# Altium PCB 遥控器.PcbDoc (part 1 of 3)
Units mil, origin at the board's own origin, x right, y up, seen from the top; angles counter-clockwise.
Board outline 6000 x 4000 mil, 2 copper layers (Top Layer, Bottom Layer); 65 components, 54 nets, 275 pads, 150 vias.
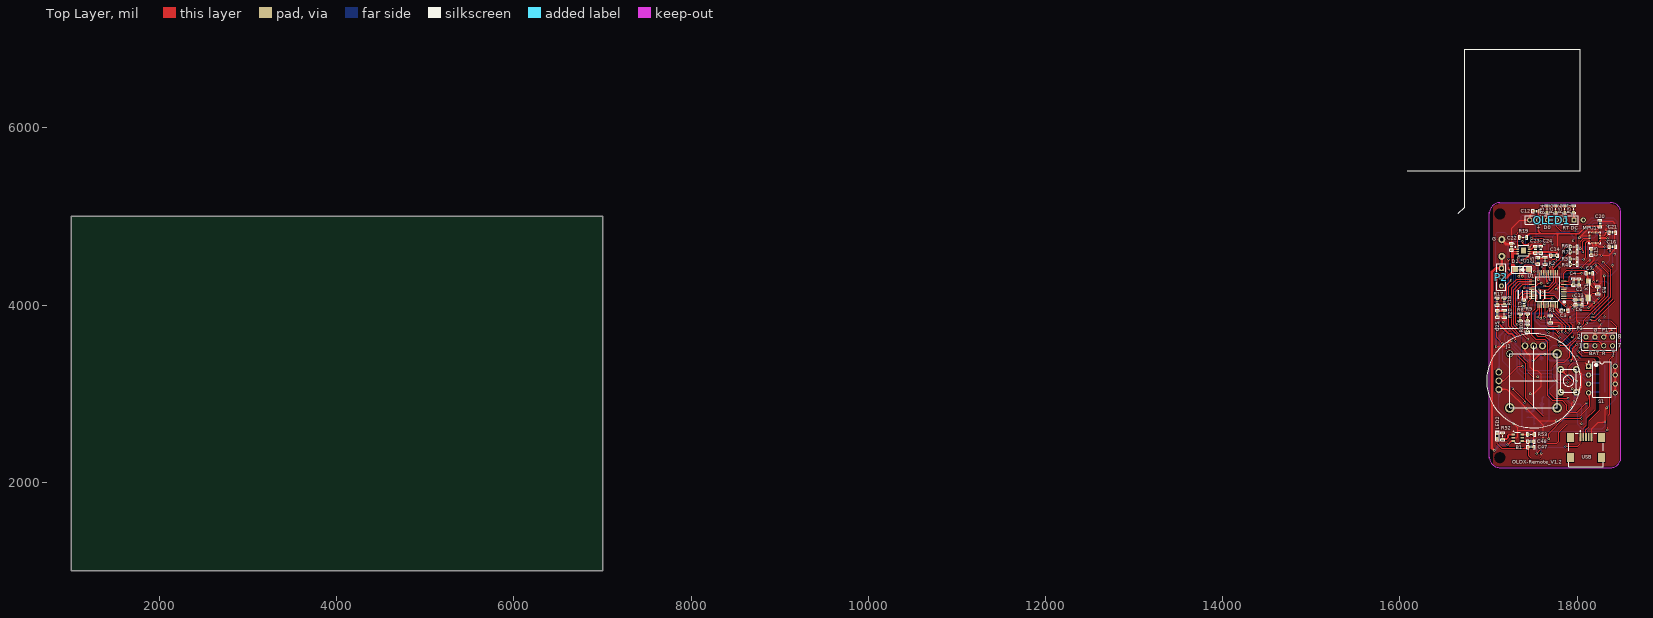
[diagram p0: Top Layer view]
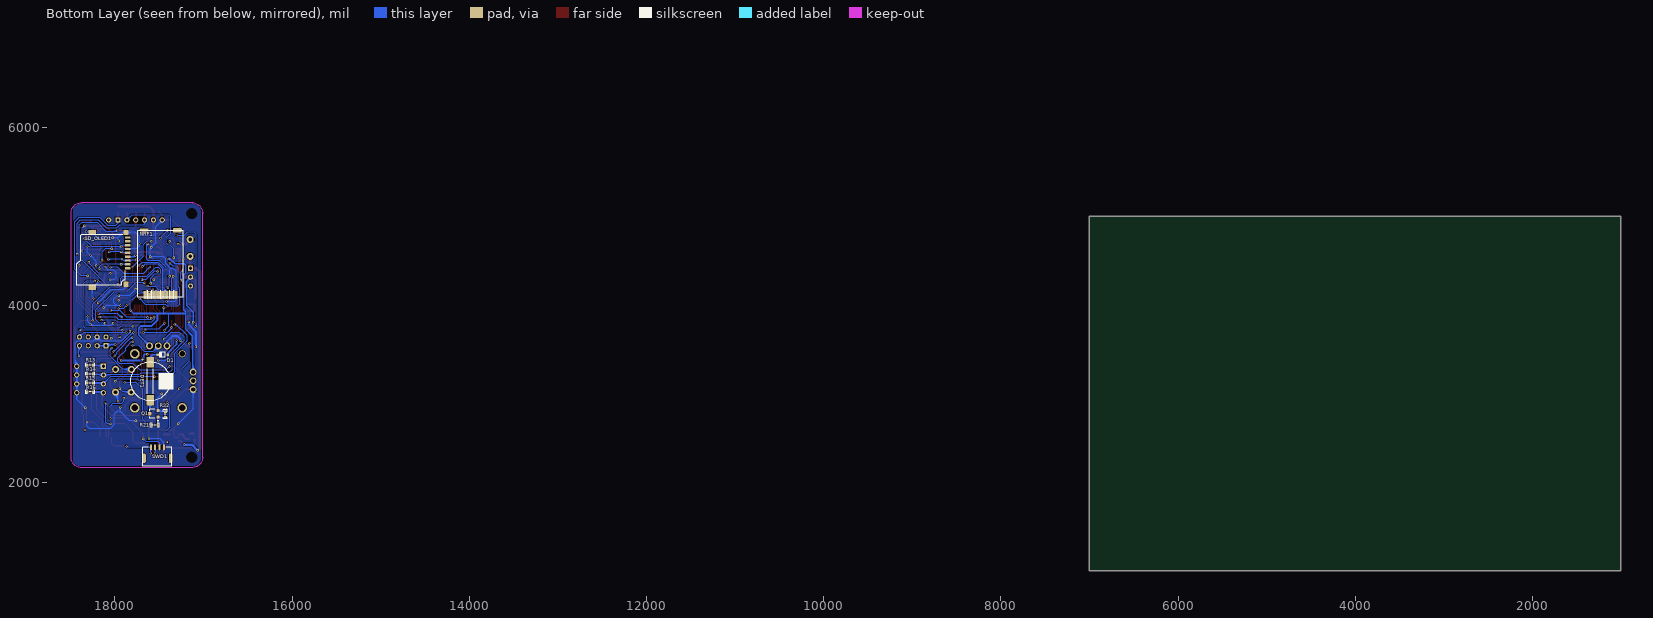
[diagram p1: Bottom Layer view, seen from below]

## Layer stack, top to bottom
Top Layer: signal copper 1.4
Dielectric: dielectric 12.6, FR-4, Dk 4.8
Bottom Layer: signal copper 1.4

## Board outline
1000,1000 7000,1000 7000,5000 1000,5000

## Design rules (kind name [scope] priority, off if disabled: settings)
Clearance Clearance_1 [(InPolygon)] p1: gap=10
Clearance [All] p2: gap=6
PolygonConnect [All] p1: connectstyle=Relief reliefconductorwidth=10 reliefentries=4 polygonreliefangle="90 Angle"
RoutingVias [All] p1: holewidth=28 width=50 viastyle="Through Hole" minholewidth=16 minwidth=25 maxholewidth=28 maxwidth=50
SilkscreenOverComponentPads [All] p1: minsilkscreentomaskgap=10
SolderMaskExpansion [All] p1: expansion=4
Width [All] p1: maxlimit=40 minlimit=8 preferedwidth=10 minimp=50.000000 maximp=50.000000 favimp=50.000000
27 further rules are at their usual default settings.

## Components (designator, comment, footprint, x,y, rotation, side; value= is the part's Value field where it differs from the comment)
*U1 "AS1364-BTDT-33" TDFN-8 17330,4655 r180 top
B1 "TP4059" SOT23-6S 17280,2540 r0 top
C1 "1UF" C0603 17400,4020 r270 top
C2 "0.1UF" C0603 18020,4260 r270 top
C3 "1UF" C0603 17860,3940 r180 top
C4 "0.1UF" C0603 17960,4260 r270 top
C5 "0.1UF" C0603 17560,4500 r270 top
C6 "20PF" C0603 18020,4000 r0 top
C7 "20PF" C0603 18140,4360 r180 top
C12 "0.1UF" C0603 17540,5060 r180 top
C13 "0.1uf" C0603 18020,4060 r180 top
C14 "0.1UF" C0603 17740,4560 r0 top
C15 "0.1UF" C0603 18160,4600 r270 top
C16 "0.1UF" C0603 18400,4660 r0 top
C20 "10nf" C0603 18260,4920 r270 top
C21 "0.1UF" C0603 18400,4820 r180 top
C22 "4.7uf" C0603 17260,4660 r90 top
C23 "10nf" C0603 17530,4625 r90 top
C24 "4.7uf" C0603 17590,4625 r90 top
C25 "22uF" C0603 17100,3900 r270 top
C47 "0.1UF" C0603 17480,2400 r180 top
C48 "10UF" C0603 17480,2460 r180 top
D1 "BAT54WS" SOD-323 17460,3440 r180 bottom
D2 "IN4733 5.1V" 1n4148-SOD123 17440,4400 r180 top
DET1 "DET402_1" BEEP 17600,3140 r90 bottom
J1 "方向摇杆" 摇杆2 17680,3080 r180 top locked
LED2 "DS0" LED_0603 17100,2520 r90 top
MPU1 "MPU9250" MPU_QFN24_0.4 18200,4760 r90 top
NRF1 "Header 8" NRF 17660,4140 r90 bottom
OLED1 "HEADER 6" HDR1X6 17965,4960 r180 top
P1 "Header 4X2" HDR2X4 18100,3540 r0 top
P2 "Header 3" HDR1X3 17145,4415 r270 top
Q1 "S8050" SOT-23R 17555,2772.5 r90 bottom
R1 "1K" R0603 17700,3840 r270 top
R2 "1K" R0603 17640,4500 r270 top
R3 "1M" R0603 18235,4165 r90 top
R4 "10K" R0603 17960,4460 r180 top
R5 "10K" R0603 17960,4520 r180 top
R6 "10K" R0603 17960,4660 r180 top
R7 "10K" R0603 17960,4600 r180 top
R8 "10R" R0603 17360,3860 r90 top
R9 "10R" R0603 17440,3860 r90 top
R10 "1k" R0603 17440,3740 r90 top
R13 "10K" R0603 18280,3320 r0 bottom
R14 "10K" R0603 18280,3220 r0 bottom
R15 "10K" R0603 18280,3120 r0 bottom
R16 "10K" R0603 18280,3020 r0 bottom
R17 "4.7K" R0603 17100,4040 r90 top
R18 "1K" R0603 17180,4040 r270 top
R19 "1K" R0603 17390,4765 r180 top
R20 "4.7K" R0603 17180,3900 r90 top
R21 "1K" R0603 17550,2645 r0 bottom
R22 "10K" R0603 17430,2765 r270 bottom
R52 "1K" R0603 17160,2520 r90 top
R53 "1K" R0603 17480,2540 r180 top
R54 "10K" R0603 17660,5080 r90 top
R55 "10K" R0603 17760,5080 r90 top
R56 "10K" R0603 17860,5080 r90 top
R57 "10K" R0603 17960,5080 r90 top
S1 "SW-DIP4" DIP-8 18280,3160 r0 top
SD_OLED1 "SD" TF-MicroSD 18100,4500 r0 bottom
SWD1 "Header 4" JST_GH_V4 17520,2180 r0 bottom
U1 "STM32F103C8" LQFP48S 17850,4075 r180 top
USB "USB-B(Mini)" USB/SM0.8-6H5_M 18100,2200 r270 top
X1 "8MHZ" PXCL 18125,4080 r0 top

## Footprints (in the part's own frame and the unit in brackets; to place one, negate y for a bottom-side part, rotate by r counter-clockwise, add the part's x,y. Pads: shape width x height; smd on the part's side, far side on the other; paste and mask are expansions set on the pad)
1n4148-SOD123 [mm]
  rect 1.5x1.4 smd: 1(-0.254,0) 2(3.494,0)
  silkscreen extent -1.27,-1.02 4.57,1.02, body extent -0.25,-0.85 3.6,0.85, height 1.42
BEEP [mm] "Molded Capacitor, 2-Leads, Body 9.3x1.6mm, IPC Medium Density"
  rect 3x2.05 smd: 1(5.5,0) 2(-5.5,0)
  silkscreen extent -5.65,-6.65 5.59,5.6, body extent -4,-0.9 4,0.9, height 1.8
C0603 [mil]
  rect 30x30 smd: 1(-27,0) 2(27.5,-0.06)
  silkscreen extent -50,-20 50,20, body extent -31,-16 31,16, height 12
DIP-8 [mm] "DIP; 8 Leads; Row Spacing 7.62 mm; Pitch 2.54 mm"
  rect 1.5x1.5 hole 0.9: 1(-3.81,3.81)
  round 1.5 hole 0.9: 2(-3.81,1.27) 3(-3.81,-1.27) 4(-3.81,-3.81) 5(3.81,-3.81) 6(3.81,-1.27) 7(3.81,1.27) 8(3.81,3.81)
  silkscreen extent -3.93,-5.15 2.65,5.23, body extent -3.6,-5.15 3.6,5.15, height 5.08
HDR1X3 [mm] "Connector; Header; 3 Position"
  rect 1.5x1.5 hole 0.9: 1(0,0)
  round 1.5 hole 0.9: 2(2.54,0) 3(5.08,0)
  silkscreen extent -1.27,-1.27 6.35,1.27
HDR1X6 [mm] "Connector; Header; 6 Position"
  rect 1.5x1.5 hole 0.9: 1(0,0)
  round 1.5 hole 0.9: 2(2.54,0) 3(5.08,0) 4(7.62,0) 5(10.16,0) 6(12.7,0)
  silkscreen extent -1.27,-1.27 13.97,1.27
HDR2X4 [mm] "Connector; Header; 4x2 Position"
  rect 1.5x1.5 hole 0.9: 1(0,0)
  round 1.5 hole 0.9: 2(0,2.54) 3(2.54,0) 4(2.54,2.54) 5(5.08,0) 6(5.08,2.54) 7(7.62,0) 8(7.62,2.54)
  silkscreen extent -1.27,-1.27 8.89,3.81
JST_GH_V4 [mil]
  rrect100% 24x67 smd: 1(-73.82,-214.57) 2(-24.61,-214.57) 3(25,-214.57) 4(74,-214.57)
  rrect100% 40x111 smd: GND(-150.59,-90.55) GND(151,-90.55)
  silkscreen extent -164,-215 165,0, body extent -162,-235 163,-40, height 165
LED_0603 [mil]
  rect 30x30 smd: 1(-27,0) 2(27.5,-0.06)
  silkscreen extent -50,-20 60,20, body extent -32,-16 32,16, height 43
LQFP48S [mil] "DPIN-0.5"
  rect 65x10 smd: 1(0.42,0.29) 2(0.42,-19.39) 3(0.42,-39.08) 4(0.42,-58.76) 5(0.42,-78.45) 6(0.42,-98.13) 7(0.42,-117.82) 8(0.42,-137.5) 9(0.42,-157.19) 10(0.42,-176.87) 11(0.42,-196.56) 12(0.42,-216.24) 25(362.63,-216.24) 26(362.63,-196.56) 27(362.63,-176.87) 28(362.63,-157.19) 29(362.63,-137.5) 30(362.63,-117.82) 31(362.63,-98.13) 32(362.63,-78.45) 33(362.63,-58.76) 34(362.63,-39.08) 35(362.63,-19.39) 36(362.63,0.29)
  rect 10x65 smd: 13(73.26,-289.08) 14(92.94,-289.08) 15(112.63,-289.08) 16(132.31,-289.08) 17(152,-289.08) 18(171.68,-289.08) 19(191.37,-289.08) 20(211.05,-289.08) 21(230.74,-289.08) 22(250.42,-289.08) 23(270.11,-289.08) 24(289.79,-289.08) 37(289.79,73.13) 38(270.11,73.13) 39(250.42,73.13) 40(230.74,73.13) 41(211.05,73.13) 42(191.37,73.13) 43(171.68,73.13) 44(152,73.13) 45(132.31,73.13) 46(112.63,73.13) 47(92.94,73.13) 48(73.26,73.13)
  silkscreen extent -10,-246 319,46
MPU_QFN24_0.4 [mm] "QFN, 24-Leads, Body 3.00x3.00mm, Pitch 0.40mm, Thermal Pad 1.54x1.70mm, IPC Medium Density"
  round 0.2 smd mask+0: 1(-1.5,1) 6(-1.5,-1) 7(-1,-1.5) 12(1,-1.5) 13(1.5,-1) 18(1.5,1) 19(1,1.5) 24(-1,1.5)
  rect 0.5x0.2 smd mask+0.025: 2(-1.5,0.6) 3(-1.5,0.2) 4(-1.5,-0.2) 5(-1.5,-0.6) 14(1.5,-0.6) 15(1.5,-0.2) 16(1.5,0.2) 17(1.5,0.6)
  rect 0.2x0.5 smd mask+0.025: 8(-0.6,-1.5) 9(-0.2,-1.5) 10(0.2,-1.5) 11(0.6,-1.5) 20(0.6,1.5) 21(0.2,1.5) 22(-0.2,1.5) 23(-0.6,1.5)
  Top Layer region: 1.75,0.9 1.25,0.9 1.25,1.05 1.3,1.1 1.75,1.1
  Top Layer region: 1.1,1.75 1.1,1.3 1.05,1.25 0.9,1.25 0.9,1.75
  Top Layer region: 0.9,-1.75 0.9,-1.25 1.05,-1.25 1.1,-1.3 1.1,-1.75
  Top Layer region: 1.75,-1.1 1.3,-1.1 1.25,-1.05 1.25,-0.9 1.75,-0.9
  Top Layer region: -1.75,-0.9 -1.25,-0.9 -1.25,-1.05 -1.3,-1.1 -1.75,-1.1
  Top Layer region: -1.1,-1.75 -1.1,-1.3 -1.05,-1.25 -0.9,-1.25 -0.9,-1.75
  Top Layer region: -1.75,1.1 -1.3,1.1 -1.25,1.05 -1.25,0.9 -1.75,0.9
  Top Layer region: -0.9,1.75 -0.9,1.25 -1.05,1.25 -1.1,1.3 -1.1,1.75
  silkscreen extent -1.68,-1.68 1.68,1.68, body extent -1.5,-1.5 1.5,1.5, height 0.9
NRF [mm]
  round 0 all layers, no hole: 0(17.75,-9.44) 0(17.75,0.56)
  rect 2.4x0.9 smd: 1(-0.66,0) 2(-0.66,-1.27) 3(-0.66,-2.54) 4(-0.66,-3.81) 5(-0.66,-5.08) 6(-0.66,-6.35) 7(-0.66,-7.62) 8(-0.66,-8.89)
  silkscreen extent -1.87,-10.94 17.75,2.06
PXCL [mm]
  rect 1.5x2 smd: 1(0,0) 2(0.051,4.521)
  silkscreen extent -0.34,-1.45 0.46,5.26
R0603 [mil] "ÌùÆ"
  rect 25x33 smd: 1(-31.5,0) 2(31.5,0)
  silkscreen extent -51,-24 51,24, body extent -32,-16 32,16, height 20
SOD-323 [mm]
  rect 0.8x0.8 smd: 1(1.422,0) 2(-1.422,0)
  silkscreen extent -0.79,-0.74 0.79,0.69
SOT23-6S [mil]
  rect 39.37x20 smd: 1(0,0) 2(0,-37.5) 3(0,-74.8) 4(100,-74.8) 5(100,-37.5) 6(100,0)
  silkscreen extent 0,-99 80,35
SOT-23R [mm]
  rect 0.9x0.95 smd: 1(0.95,-1.048) 2(-0.95,-1.048) 3(0,1.302)
  silkscreen extent -2.07,-1.17 1.3,1.3
TDFN-8 [mm] "QFN, 8-Leads, Body 3.0x3.0mm (max), Pitch 0.65mm, IPC Medium Density"
  oval 0.85x0.35 smd: 1(0,0) 2(0,0.65) 3(0,1.3) 4(0,1.956) 5(-3.277,1.956) 6(-3.277,1.295) 7(-3.277,0.65) 8(-3.277,0.001)
  rect 1.5x1.8 smd: 9(-1.636,0.975)
  silkscreen extent -3.14,-0.6 0.89,2.55, body extent -3.14,-0.52 -0.14,2.48, height 0.8
TF-MicroSD [mm]
  rect 1.6x0.7 smd: 1(-6.193,2.123) 2(-6.193,1.023) 3(-6.193,-0.077) 4(-6.193,-1.177) 5(-6.193,-2.277) 6(-6.193,-3.377) 7(-6.193,-4.477) 8(-6.193,-5.577) 9(-6.193,-6.677)
  rect 1.4x1.4 smd: 10(-5.693,-8.131)
  rect 2.2x1.5 smd: 11(3.907,-8.1) 13(3.907,7.623)
  rect 1.4x1.6 smd: 12(-5.693,6.723)
  silkscreen extent -5.49,-7.42 8.33,7.02, body extent -6.87,-8.13 8.38,7.87, height 1.95
USB/SM0.8-6H5_M [mm]
  rect 2.3x0.5 smd: 1(-7.85,-1.6) 2(-7.85,-0.8) 3(-7.85,0) 4(-7.85,0.8) 5(-7.85,1.6)
  rect 2.5x2 smd: 6(-7.75,4.45) 7(-1.996,4.45) 8(-7.75,-4.45) 9(-1.996,-4.45)
  silkscreen extent -9.67,-4.95 0.7,4.95
摇杆2 [mm]
  round 2.8 hole 1.8: 0(-2.413,6.102) 0(-2.413,-9.398) 0(11.176,6.102)
  round 2.032 hole 1.524: 0(11.176,-9.398)
  round 2 hole 1.25: 1(14.318,0.849) 2(14.318,-1.651) 3(14.318,-4.151) 4(6.818,-11.651) 5(4.318,-11.651) 6(1.818,-11.651)
  round 2 hole 1.1: J1(-7.95,1.626) J1(-7.904,-4.925) J2(-3.45,1.626) J2(-3.404,-4.925)
  silkscreen extent -9.18,-15.15 17.81,11.85

## Part data
*U1: library part AS1364-3.3V
C1 C2 C3 C4 C5 C12 C13 C14 C15 C16 C20 C21 C22 C23 C24 C25 C47 C48: library part CAP, "Capacitor"
C6 C7: library part C2, "0805"
D1: library part BAT54, "单肖特基二极管"
D2: library part ZENER3, "Zener Diode"
J1: library part 摇杆_1, "摇杆"
LED2: library part LED, "Typical RED, GREEN, YELLOW, AMBER GaAs LED"
MPU1: "Sensor"
NRF1: "Header, 8-Pin"
P1: "Header, 4-Pin, Dual row"
P2: "Header, 3-Pin"
Q1: library part NPN, "8050/BCW846/BCW847"
R1 R2 R13 R14 R15 R16 R19 R52 R53: library part Res1, "Resistor"
R3 R4 R5 R6 R7 R8 R9 R10 R17 R18 R20 R21 R22 R54 R55 R56 R57: library part Res2, "0603"
S1: library part SW-DIP
SD_OLED1: library part TF-MicroSD
SWD1: "Header, 4-Pin"
U1: library part STM32F103C6
USB: library part USB5
X1: library part XTAL, "Crystal Oscillator"

## Free pads (board coordinates)
  round 78.74 hole 110.24: 0(17130,2280) 0(17130,5030)
  round 80 hole 40: 0(17150,4550) 0(17150,4740)
  rrect50% 100x50 smd far side: 0(17295,4845) 0(17670,4840)

## Via types
v1: diameter 25, hole 16, Top Layer to Bottom Layer, 148 vias
v2: diameter 59, hole 35, Top Layer to Bottom Layer, 1 vias
v3: diameter 26, hole 16, Top Layer to Bottom Layer, 1 vias

## Nets (pads, with @x,y where several pads share a name; then routed paths per layer and width w, separated by ;. In a path a pad name is that pad's centre, name@x,y a point inside that pad or via, vN(x,y) a via of type N, cw(c..) or ccw(c..) an arc to the next point about the centre after c; other vN are vias at no path point)
3.3V_I: R13.2 R14.2 R15.2 R16.2 | length 300
  Bottom Layer w20: R16.2@18311.5,3020 R15.2@18311.5,3120 R14.2@18311.5,3220 R13.2@18311.5,3320
3V3_1: *U1.5 *U1.6 C1.2 C3.2 C4.2 C5.2 C12.1 C13.2 C14.2 C15.1 C16.1 C20.2 C23.1 C24.1 J1.3 J1.6 MPU1.1 MPU1.8 MPU1.13 NRF1.1 OLED1.5 R4.1 R5.1 R6.1 R7.1 R10.1 R19.1 R54.2 R55.2 R56.2 R57.2 SD_OLED1.4 U1.1 U1.9 U1.24 U1.36 U1.48 | length 10873.7
  Top Layer w8: R4.1@17985.49,4470.01 ccw(c17970.98,4484.52) 17991.5,4484.52 ccw(c18012.02,4484.52) R4.1@17997.51,4470.01 ; R5.1@17985.49,4509.99 cw(c17970.98,4495.48) 17991.5,4495.48 cw(c18012.02,4495.48) R5.1@17997.51,4509.99 ; R5.1@17985.49,4530.01 ccw(c17970.98,4544.52) 17991.5,4544.52 ccw(c18012.02,4544.52) R5.1@17997.51,4530.01 ; R7.1@17985.49,4589.99 cw(c17970.98,4575.48) 17991.5,4575.48 cw(c18012.02,4575.48) R7.1@17997.51,4589.99 ; R7.1@17985.49,4610.01 ccw(c17970.98,4624.52) 17991.5,4624.52 ccw(c18012.02,4624.52) R7.1@17997.51,4610.01 ; R6.1@17985.49,4649.99 cw(c17970.98,4635.48) 17991.5,4635.48 cw(c18012.02,4635.48) R6.1@17997.51,4649.99 ; R6.1@17985.49,4670.01 ccw(c17970.98,4684.52) 17991.5,4684.52 ccw(c18012.02,4684.52) R6.1@17997.51,4670.01 ; 17991.5,4805 R6.1@17991.5,4660 R7.1@17991.5,4600 R5.1@17991.5,4520 17991.5,4473.5 R4.1@17995,4470 ; C15.1@18152.22,4634.78 ccw(c18131.92,4655.08) 18160.63,4655.08 ; 18160.63,4652.04 ccw(c18185.04,4652.04) 18167.78,4634.78 ccw(c18186.56,4653.56) 18186.56,4627 ccw(c18186.56,4600.44) C15.1@18167.78,4619.22 ; MPU1.1@18160.63,4700.94 18160.63,4627.63 C15.1@18160,4627 18340,4627 C16.1@18373,4660 ; MPU1.13@18239.37,4819.06 18239.37,4872.93 18259.44,4893 18261.44,4895 v1(18345,4895) ; 18239.45,4873.01 cw(c18259.94,4852.53) C20.2@18259.94,4881.5 ; 18241.86,4875.43 ccw(c18224.79,4892.5) C20.2@18248.94,4892.5 ; MPU1.8@18259.06,4736.38 18313.62,4736.38 18373,4677 ; C20.2@18267.71,4884.72 cw(c18292.53,4859.91) 18292.53,4895 ; C20.2@18267.71,4900.28 ccw(c18280.46,4913.02) 18280.46,4895 ; v1@18338.99,4888.99 ccw(c18324.48,4874.48) 18324.48,4895 ccw(c18324.48,4915.52) v1@18338.99,4901.01 ; 18342.2,4707.8 cw(c18294.4,4660) 18362,4660 cw(c18335.44,4660) 18354.22,4641.22 cw(c18373,4622.44) C16.1@18373,4649 ; 18355.86,4694.14 cw(c18321.72,4660) C16.1@18370,4660 ; v1@18363.99,4616.01 ccw(c18342.24,4637.76) 18373,4637.76 ; C16.1@18365.22,4652.22 cw(c18346.44,4633.44) 18373,4633.44 cw(c18399.56,4633.44) C16.1@18380.78,4652.22 ; C16.1@18368.49,4670.03 ccw(c18365.36,4677) 18373,4677 ; 18369.51,4680.49 cw(c18349.03,4660) C16.1@18378,4660 ; v1(18370,4610) 18373,4613 C16.1@18373,4660 ; 18373,4623.28 ccw(c18383.28,4623.28) v1@18376.01,4616.01 ; C16.1@18377.51,4670.03 cw(c18380.64,4677) 18373,4677 ; C16.1@18373,4660 18373,4677
  Top Layer w10: C1.2@17399.94,3982.5 cw(c17399.94,3958.36) 17417.01,3975.43 cw(c17434.08,3992.5) C1.2@17409.94,3992.5 ; C1.2@17399.94,3992.5 17422.44,3970 v1(17450,3970) 17450,4037.34 U1.36@17487.37,4074.71 ; v1@17444.7,3964.7 ccw(c17431.89,3951.89) 17431.89,3970 ccw(c17431.89,3988.11) 17444.7,3975.3 ccw(c17431.89,3988.11) 17450,3988.11 ccw(c17468.11,3988.11) v1@17455.3,3975.3 ; 17459,4559 17459,4536 17522.5,4472.5 C5.2@17559.94,4472.5 17560.21,4472.23 U1.24@17560.21,4364.08 ; C5.2@17552.86,4479.57 cw(c17535.79,4496.64) 17535.79,4472.5 cw(c17535.79,4448.36) 17552.86,4465.43 cw(c17535.14,4447.71) 17560.21,4447.71 ; 17560.21,4449.01 cw(c17583.43,4449.01) C5.2@17567.01,4465.43 ; U1.48@17776.74,4001.87 17776.74,3963.26 17800,3940 17832.44,3940 C3.2@17832.5,3940.06 ; 17808.2,3940 ccw(c17808.2,3964.36) C3.2@17825.43,3947.14 ; 17808.51,3940 cw(c17808.51,3916.08) C3.2@17825.43,3932.99 ; C3.2@17819.7,3934.7 ccw(c17806.89,3921.89) 17806.89,3940 ccw(c17806.89,3958.11) C3.2@17819.7,3945.3 ; U1.1@17849.58,4074.71 17977.86,4074.71 C13.2@17992.5,4060.06 ; U1.9@17849.58,4232.19 17959.62,4232.19 C4.2@17959.94,4232.5 17962.44,4235 v1(17965,4235) ; 17933,4074.71 cw(c17933,4000.57) 17985.43,4052.99 ccw(c17968.36,4035.92) 17968.36,4060.06 ccw(c17968.36,4084.21) C13.2@17985.43,4067.14 ; 17935.04,4232.19 ccw(c17935.04,4257.39) C4.2@17952.86,4239.57 ; 17936.54,4232.19 cw(c17936.54,4209.11) C4.2@17952.86,4225.43 ; 17940.11,4232.19 ccw(c17940.11,4259.89) C4.2@17959.7,4240.3 ; 17957.14,4074.71 cw(c17957.14,4024.71) C13.2@17992.5,4060.06 ; v1@17965.06,4060.06 C13.2@17992.5,4060.06 ; v1@17965.3,4049.7 cw(c17990.33,4024.67) C13.2@17990.33,4060.06 ; C13.2@17981.29,4074.71 cw(c17981.29,4048.85) C13.2@17999.57,4067.14
  Top Layer w15: v3(17395,4520) 17420,4520 17459,4559 *U1.5@17459,4578 17510,4578 C23.1@17530,4598 17524,4604 *U1.6@17459,4604 ; v3@17398.89,4516.11 cw(c17408.28,4506.72) 17408.28,4520 cw(c17408.28,4533.28) v3@17398.89,4523.89 ; *U1.5@17463.61,4578 ccw(c17463.61,4664.39) C23.1@17524.7,4603.3 ; 17497.41,4604 cw(c17497.41,4565.41) C23.1@17524.7,4592.7 ; 17499.82,4578 ccw(c17499.82,4628.18) C23.1@17535.3,4592.7 ; C23.1@17522.5,4598 cw(c17504.39,4598) 17517.2,4585.2 cw(c17530,4572.39) C23.1@17530,4590.5
  Top Layer w20: R19.1@17421.5,4765 17461.5,4805 17590,4805 ; R19.1@17421.5,4771.5 ccw(c17421.5,4787.19) R19.1@17432.6,4776.1 ; R10.1@17440,3708.5 v1(17440,3715) ; C23.1@17530,4598 C24.1@17590,4598 17768,4598 ; OLED1.5@17551.19,4946.19 cw(c17517.86,4912.86) 17565,4912.86 cw(c17612.14,4912.86) OLED1.5@17578.81,4946.19 ; OLED1.5@17551.19,4973.81 ccw(c17517.86,5007.14) 17565,5007.14 ccw(c17612.14,5007.14) OLED1.5@17578.81,4973.81 ; 17565,5043.1 cw(c17583.9,5043.1) C12.1@17570.54,5056.46 ; C12.1@17572,5060 cw(c17613.04,5060) 17584.02,5089.02 ; v1(17767.5,4559.94) 17767.5,4597.5 17768,4598 ; R57.2@17960,5111.5 R56.2@17860,5111.5 R55.2@17760,5111.5 R54.2@17660,5111.5 17606.5,5111.5 17565,5070 OLED1.5@17565,4960 17565,4830 17590,4805 ; C20.2@18259.94,4892.5 18259.44,4893 18108,4893 18020,4805 17991.5,4805 17780,4805 ; 17590,4805 17780,4805 ; 17768,4598 17780,4610 17780,4805
  Bottom Layer w8: v1@18345,4886.5 cw(c18345,4865.98) 18359.51,4880.49 cw(c18374.02,4895) v1@18353.5,4895 ; v1(18345,4895) 18370,4870 v1(18370,4610) ; v1@18363.99,4616.01 ccw(c18349.48,4630.52) 18370,4630.52 ccw(c18390.52,4630.52) v1@18376.01,4616.01
  Bottom Layer w10: 17390,3905 17390,3765 v1(17440,3715) ; v1@17432.5,3715 ccw(c17414.39,3715) 17427.2,3727.8 ccw(c17440,3740.61) v1@17440,3722.5 ; v1@17444.7,3964.7 cw(c17431.89,3951.89) 17450,3951.89 cw(c17468.11,3951.89) v1@17455.3,3964.7 ; 17450,3910 v1(17450,3970) ; NRF1.1@17660,4134 17731,4134 17810,4055 17825,4055 ; NRF1.1@17661.92,4145.45 ccw(c17689.56,4173.09) 17689.56,4134 ; NRF1.1@17668.99,4152.52 ccw(c17713.7,4197.23) 17713.7,4134 ; v1@17819.7,3945.3 ccw(c17806.89,3958.11) 17825,3958.11 ccw(c17843.11,3958.11) v1@17830.3,3945.3 ; v1(17825,3940) 17825,4055 ; v1@17954.7,4049.7 ccw(c17941.89,4036.89) 17941.89,4055 ccw(c17941.89,4073.11) v1@17954.7,4060.3 ; v1(17960,4055) 17825,4055 ; v1(17965,4235) 18100,4235 18370,4505 v1(18370,4610) ; v1@17970.3,4229.7 cw(c17983.11,4216.89) 17983.11,4235 cw(c17983.11,4253.11) v1@17970.3,4240.3 ; v1@18364.7,4604.7 cw(c18351.89,4591.89) 18370,4591.89 cw(c18388.11,4591.89) v1@18375.3,4604.7
  Bottom Layer w15: J1.3@17116.3,3243.43 J1.3@17120,3247.13 ; 17200,3905 17200,3925 17220,3945 17220,4340 17200,4360 17200,4450 17215,4465 17320,4465 17375,4520 v3(17395,4520) ; 17351.47,4496.47 cw(c17395,4452.94) v3@17395,4514.5 ; 17365,4510 cw(c17382.46,4492.55) v3@17392.71,4515 ; 17377.08,4522.08 cw(c17395,4504.15) v3@17395,4529.5 ; 17380.27,4525.27 cw(c17392.04,4513.51) v3@17398.95,4528.64 ; v3@17391.11,4516.11 ccw(c17381.72,4506.72) 17381.72,4520 ccw(c17381.72,4533.28) v3@17391.11,4523.89
  Bottom Layer w20: J1.3@17095.53,3264.19 ccw(c17036.46,3323.27) 17120,3323.27 ; J1.3@17120,3247.13 17120,3500 17125,3505 17125,3655 17200,3730 17200,3905 ; 17120,3305.4 ccw(c17178.27,3305.4) J1.3@17137.07,3264.19 ; 17205,3905 17390,3905 17520,3905 ; J1.6@17608.43,3551.93 J1.6@17608.43,3538.7 17731.5,3661.78 17731.5,3675 17731.5,3738.5 17705,3765 17585,3765 17520,3830 17520,3905 ; J1.6@17608.43,3568.07 ccw(c17608.43,3638.98) 17658.56,3588.84 ccw(c17708.7,3538.7) J1.6@17637.8,3538.7 ; v1(17767.5,4559.94) 17781.1,4546.34 SD_OLED1.4@17856.18,4546.34 ; v1@17769.27,4561.7 ccw(c17806.36,4598.8) 17806.36,4546.34 ; v1(17825,3940) 17790,3905 17520,3905
AD_BAT: R18.1 U1.10 | length 2072.9
  Top Layer w10: R18.1@17180,4071.5 17205,4096.5 17205,4230 v1(17255,4280) ; R18.1@17191.5,4071.5 cw(c17219.26,4071.5) 17199.63,4091.13 ; v1@17219.7,4509.7 cw(c17206.89,4496.89) 17225,4496.89 cw(c17243.11,4496.89) v1@17230.3,4509.7 ; 17225,4425.18 ccw(c17260.18,4425.18) v1@17235.3,4400.3 ; v1(17225,4515) 17225,4400 v1(17230,4395) ; v1@17247.5,4280 cw(c17229.39,4280) 17242.2,4267.2 cw(c17255,4254.39) v1@17255,4272.5 ; v1@17379.7,4714.7 cw(c17366.89,4701.89) 17385,4701.89 cw(c17403.11,4701.89) v1@17390.3,4714.7 ; v1(17385,4720) 17385,4695 17395,4685 17445,4685 17480,4720 v1(17585,4720) v1@17580,4715 ; v1@17579.7,4714.7 ccw(c17566.89,4701.89) 17566.89,4720 ccw(c17566.89,4738.11) v1@17579.7,4725.3 ; v1@17794.7,4424.7 cw(c17781.89,4411.89) 17800,4411.89 cw(c17818.11,4411.89) v1@17805.3,4424.7 ; v1(17800,4430) 17800,4260 17808.13,4251.87 U1.10@17849.58,4251.87
  Bottom Layer w10: v1@17219.7,4520.3 ccw(c17206.89,4533.11) 17225,4533.11 ccw(c17243.11,4533.11) v1@17230.3,4520.3 ; v1(17225,4515) 17225,4675 17270,4720 v1(17385,4720) ; v1@17230,4387.5 cw(c17230,4369.39) 17242.8,4382.2 cw(c17255.61,4395) v1@17237.5,4395 ; v1(17230,4395) 17255,4370 v1(17255,4280) ; v1@17249.7,4285.3 ccw(c17236.89,4298.11) 17255,4298.11 ccw(c17273.11,4298.11) v1@17260.3,4285.3 ; v1@17379.7,4714.7 ccw(c17366.89,4701.89) 17366.89,4720 ccw(c17366.89,4738.11) v1@17379.7,4725.3 ; v1(17585,4720) 17640,4720 17680,4680 17680,4550 v1(17800,4430) ; v1@17590.3,4714.7 cw(c17603.11,4701.89) 17603.11,4720 cw(c17603.11,4738.11) v1@17590.3,4725.3 ; v1@17792.5,4430 ccw(c17774.39,4430) 17787.2,4442.8 ccw(c17800,4455.61) v1@17800,4437.5
AD_P: J1.2 U1.11 | length 3661
  Top Layer w10: J1.2@17116.3,3145 17171.3,3145 ; J1.2@17147.19,3129.94 cw(c17171.3,3118.18) 17171.3,3145 ; J1.2@17147.19,3160.06 ccw(c17171.3,3171.82) 17171.3,3145 ; 17363.76,3308.7 ccw(c17363.76,3331.24) v1@17379.7,3315.3 ; 17370.03,3308.7 cw(c17370.03,3295.03) v1@17379.7,3304.7 ; v1(17385,3310) 17383.7,3308.7 17335,3308.7 17171.3,3145 ; v1(17795,3585) 17830,3585 17950,3705 17950,3770 17920,3800 v1(17920,3865) ; v1@17800.3,3579.7 cw(c17813.11,3566.89) 17813.11,3585 cw(c17813.11,3603.11) v1@17800.3,3590.3 ; U1.11@17849.58,4271.56 17901.56,4271.56 17910,4280 17910,4320 17950,4360 v1(18050,4360) ; v1@17914.7,3859.7 cw(c17901.89,3846.89) 17920,3846.89 cw(c17938.11,3846.89) v1@17925.3,3859.7 ; v1@18044.7,4354.7 ccw(c18031.89,4341.89) 18031.89,4360 ccw(c18031.89,4378.11) v1@18044.7,4365.3 ; v1(18185,3900) 18380,4095 18380,4400 v1(18295,4485) ; v1@18185,3907.5 ccw(c18185,3925.61) 18197.8,3912.8 ccw(c18210.61,3900) v1@18192.5,3900 ; v1@18295,4477.5 cw(c18295,4459.39) 18307.8,4472.2 cw(c18320.61,4485) v1@18302.5,4485
  Bottom Layer w10: v1@17385,3302.5 cw(c17385,3284.39) 17397.8,3297.2 cw(c17410.61,3310) v1@17392.5,3310 ; v1(17385,3310) 17430,3265 17715,3265 17790,3340 17945,3340 17965,3360 17965,3405 17880,3490 17880,3520 17815,3585 v1(17795,3585) ; v1@17800.3,3579.7 cw(c17813.11,3566.89) 17813.11,3585 cw(c17813.11,3603.11) v1@17800.3,3590.3 ; v1@17920,3862.5 ccw(c17920,3892.68) 17941.34,3871.34 ; v1(17920,3865) 17935,3865 17970,3900 v1(18185,3900) ; v1@17920,3872.5 ccw(c17920,3926.82) 17958.41,3888.41 ; v1(18050,4360) 18180,4360 18295,4475 v1(18295,4485) ; v1@18055.3,4354.7 cw(c18068.11,4341.89) 18068.11,4360 cw(c18068.11,4378.11) v1@18055.3,4365.3 ; v1@18179.7,3894.7 ccw(c18166.89,3881.89) 18166.89,3900 ccw(c18166.89,3918.11) v1@18179.7,3905.3 ; 18275.13,4455.13 ccw(c18245.25,4485) v1@18287.5,4485 ; 18292.2,4472.2 ccw(c18279.39,4485) v1@18297.5,4485
AD_R: J1.5 U1.12 | length 2392.4
  Top Layer w10: v1(17800,3545) 17895,3545 17989.03,3639.03 17989.03,3709.03 ; v1@17805.3,3539.7 cw(c17818.11,3526.89) 17818.11,3545 cw(c17818.11,3563.11) v1@17805.3,3550.3 ; U1.12@17849.58,4291.24 17849.58,4359.58 17885,4395 18115,4395 18200,4480 18230,4480 18350,4360 18350,4105 18075,3830 18075,3795 17989.03,3709.03 ; 17988.64,3708.64 17989.03,3709.03
  Bottom Layer w10: J1.5@17510,3504.33 cw(c17510,3421.35) 17568.67,3480.03 cw(c17627.35,3538.7) J1.5@17544.37,3538.7 ; J1.5@17510,3514.33 cw(c17510,3455.5) 17551.6,3497.1 cw(c17593.2,3538.7) J1.5@17534.37,3538.7 ; J1.5@17510,3538.7 17573.7,3475 17660,3475 17730,3545 v1(17800,3545) ; v1@17794.7,3539.7 ccw(c17781.89,3526.89) 17781.89,3545 ccw(c17781.89,3563.11) v1@17794.7,3550.3
BAT_IN: *U1.2 *U1.3 *U1.4 C22.1 D1.1 D2.2 P1.1 P1.3 P2.2 R17.2 | length 3824.9
  Top Layer w15: C22.1@17260,4633 17263.59,4629.41 *U1.2@17330,4629.41 ; C22.1@17265.3,4638.3 ccw(c17286.78,4659.78) 17286.78,4629.41 ; 17273,4578 *U1.4@17330,4578 ; 17275.82,4603.82 *U1.3@17330,4603.82
  Top Layer w20: 17090,4092.02 ccw(c17116.52,4092.02) R17.2@17097.77,4073.27 ; R17.2@17100,4071.5 17090,4081.5 17090,4285 17120,4315 P2.2@17145,4315 ; 17107.07,4302.07 cw(c17140.07,4269.07) P2.2@17145.05,4315.47 ; v1(17115,3805) 17115,3790 17230,3675 17260,3675 17305,3630 v1(17305,3600) ; v1@17117.5,3805 ccw(c17159.75,3805) 17129.87,3775.13 ; v1(17510,3375) 17580,3445 v1(17635,3445) ; v1(17930,3375) 17950,3395 17950,3510 v1(17995,3555)
  Top Layer w30: P2.2@17145,4315 17210,4315 17270,4375 17270,4623 C22.1@17263.59,4629.41 ; P2.2@17155.27,4304.73 cw(c17180.07,4279.93) 17180.07,4315 cw(c17180.07,4350.07) P2.2@17155.27,4325.27 ; C22.1@17260,4633 cw(c17235.86,4608.86) 17270,4608.86 ; 17270,4431.46 ccw(c17331.93,4431.46) D2.2@17288.14,4387.67 ; 17270,4503.89 ccw(c17404.36,4503.89) D2.2@17309.35,4408.88 ; 17269.69,4374.69 cw(c17300.47,4343.91) 17300.47,4387.44 ccw(c17300.47,4343.91) 17269.69,4374.69
  Bottom Layer w20: v1(17115,3805) 17115,3920 17190,3995 17190,4195.09 17190.53,4195.61 17190.53,4269.47 P2.2@17145,4315 ; P2.2@17145,4295.47 cw(c17145,4248.33) 17178.34,4281.66 cw(c17211.67,4315) P2.2@17164.53,4315 ; v1(17305,3600) 17305,3555 17404,3456 D1.1@17404,3440 17404,3401 17430,3375 v1(17510,3375) ; 17382.87,3477.13 cw(c17345.75,3440) D1.1@17398.25,3440 ; v1(17635,3445) 17665,3445 17675,3435 17675,3390 17690,3375 v1(17930,3375) ; v1(17995,3555) 18070,3555 18085,3540 P1.1@18100,3540 ; 18016.64,3555 cw(c18016.64,3456.64) P1.1@18086.19,3526.19 ; 18064.93,3555 cw(c18064.93,3504.93) P1.1@18100.33,3540.33 ; P1.1@18104,3536 P1.1@18100,3540 ; P1.1@18113.81,3526.19 cw(c18147.14,3492.86) 18147.14,3540 cw(c18147.14,3587.14) P1.1@18113.81,3553.81 ; P1.3@18186.19,3526.19 ccw(c18152.86,3492.86) 18152.86,3540 ccw(c18152.86,3587.14) P1.3@18186.19,3553.81 ; P1.3@18200,3540 P1.1@18100,3540
BATC: B1.3 P2.1 pad.0@17150,4550 | length 2753.9
  Top Layer w20: v1(17215,2425) 17255.2,2465.2 B1.3@17280,2465.2 ; 17244.51,2454.51 cw(c17270.31,2428.7) 17270.31,2465.2 ccw(c17266.53,2438.74) 17247.64,2457.64
  Top Layer w30: v1(17065,2360) 17040,2385 17040,4375 17080,4415 P2.1@17145,4415 17150,4420 17150,4465 pad.0@17150,4555 ; P2.1@17134.73,4404.73 ccw(c17109.93,4379.93) 17109.93,4415 ccw(c17109.93,4450.07) 17134.73,4425.27 ccw(c17097.86,4462.14) 17150,4462.14 ; pad.0@17139.39,4544.39 cw(c17113.79,4518.79) 17150,4518.79 cw(c17186.21,4518.79) pad.0@17160.61,4544.39
  Bottom Layer w30: v1(17065,2360) 17130,2425 v1(17215,2425)
BEEP: R21.2 U1.19 | length 2963.6
  Top Layer w8: 17658.63,4266.58 ccw(c17681.58,4266.58) v1@17665.35,4250.35 ; 17658.63,4285.9 ccw(c17700.9,4285.9) v1@17671.01,4256.01 ; U1.19@17658.63,4364.08 17658.63,4256.37 v1(17665,4250) ; v1@17883.99,3118.99 ccw(c17869.48,3104.48) 17869.48,3125 ccw(c17869.48,3145.52) v1@17883.99,3131.01 ; v1(17890,3125) 17785,3125 17740,3170 17740,3310 17785,3355 17855,3355 17917.5,3417.5 17917.5,3532.5 18009.61,3624.61 18009.61,3694.61 v1(18110,3795) ; v1@18101.5,3795 cw(c18080.98,3795) 18095.49,3780.49 cw(c18110,3765.98) v1@18110,3786.5
  Bottom Layer w8: R21.2@17581.5,2645 17620,2645 17685,2710 17685,3050 17760,3125 v1(17890,3125) ; R21.2@17587.51,2638.99 cw(c17602.02,2624.48) 17602.02,2645 cw(c17602.02,2665.52) R21.2@17587.51,2651.01 ; v1(17665,4250) 17765,4250 17870,4145 18015,4145 18215,3945 18215,3835 18175,3795 v1(18110,3795) ; v1@17671.01,4243.99 cw(c17685.52,4229.48) 17685.52,4250 cw(c17685.52,4270.52) v1@17671.01,4256.01 ; v1@17883.99,3118.99 ccw(c17869.48,3104.48) 17869.48,3125 ccw(c17869.48,3145.52) v1@17883.99,3131.01 ; v1@18116.01,3788.99 cw(c18130.52,3774.48) 18130.52,3795 cw(c18130.52,3815.52) v1@18116.01,3801.01
CLK_C8: SWD1.2 U1.37 | length 2672.1
  Top Layer w10: U1.37@17560.21,4001.87 17560.21,3955.21 17525,3920 17525,3680 17555,3650 17640,3650 17695,3595 17695,3000 17745,2950 v1(17900,2950) ; v1@17674.7,2495.3 ccw(c17661.89,2508.11) 17680,2508.11 ccw(c17698.11,2508.11) v1@17685.3,2495.3 ; v1(17680,2490) 17680,2550 17850,2720 v1(18050,2720) v1@18045,2725 ; v1@17894.7,2944.7 ccw(c17881.89,2931.89) 17881.89,2950 ccw(c17881.89,2968.11) v1@17894.7,2955.3 ; v1@18044.7,2714.7 ccw(c18031.89,2701.89) 18031.89,2720 ccw(c18031.89,2738.11) v1@18044.7,2725.3
  Bottom Layer w10: SWD1.2@17490.44,2421.02 ccw(c17478.49,2432.97) 17495.39,2432.97 ccw(c17512.29,2432.97) SWD1.2@17500.34,2421.02 ; SWD1.2@17495.39,2394.57 17495.39,2440.39 17510,2455 17645,2455 v1(17680,2490) ; v1@17672.5,2490 cw(c17654.39,2490) 17667.2,2477.2 cw(c17680,2464.39) v1@17680,2482.5 ; v1@17894.7,2944.7 cw(c17881.89,2931.89) 17900,2931.89 cw(c17918.11,2931.89) v1@17905.3,2944.7 ; v1(17900,2950) 17900,2915 17930,2885 18030,2885 18055,2860 18055,2725 v1(18050,2720) ; v1@18044.7,2725.3 ccw(c18019.82,2750.18) 18055,2750.18
CS1: MPU1.22 U1.21 | length 1407.4
  Top Layer w8: v1(17605,4430) 17619.26,4415.74 U1.21@17619.26,4364.08 ; v1@18028.99,4641.01 ccw(c18014.48,4655.52) 18035,4655.52 ccw(c18055.52,4655.52) v1@18041.01,4641.01 ; v1(18035,4635) 18035,4715 18072.13,4752.13 MPU1.22@18140.94,4752.13 ; v1(18050,4425) 18130,4505 v1(18145,4505) ; v1@18050,4433.5 ccw(c18050,4454.02) 18064.51,4439.51 ccw(c18079.02,4425) v1@18058.5,4425 ; 18104.88,4479.88 cw(c18145,4439.77) v1@18145,4496.5 ; 18118.54,4493.54 cw(c18145,4467.08) v1@18145,4504.5 ; 18132.2,4507.2 cw(c18145,4494.39) v1@18145,4512.5
  Bottom Layer w8: v1@17605,4421.5 cw(c17605,4400.98) 17619.51,4415.49 cw(c17634.02,4430) v1@17613.5,4430 ; v1(17605,4430) 17680,4355 17895,4355 17965,4425 v1(18050,4425) ; v1(18035,4635) 18110,4635 18145,4600 v1(18145,4505) ; v1@18041.01,4628.99 cw(c18055.52,4614.48) 18055.52,4635 cw(c18055.52,4655.52) v1@18041.01,4641.01 ; v1@18043.99,4418.99 ccw(c18029.48,4404.48) 18029.48,4425 ccw(c18029.48,4445.52) v1@18043.99,4431.01 ; v1@18138.99,4511.01 ccw(c18124.48,4525.52) 18145,4525.52 ccw(c18165.52,4525.52) v1@18151.01,4511.01
CS2: U1.22
CS3: R4.2 SD_OLED1.2 U1.43 | length 2344.6
  Top Layer w10: U1.43@17678.32,4001.87 17678.32,3948.32 17660,3930 17660,3780 17680,3760 v1(17795,3760) ; v1@17789.7,3754.7 ccw(c17776.89,3741.89) 17776.89,3760 ccw(c17776.89,3778.11) v1@17789.7,3765.3 ; v1@18175,4402.5 cw(c18175,4384.39) 18187.8,4397.2 cw(c18200.61,4410) v1@18182.5,4410 ; v1(18175,4410) 18225,4360 v1(18225,4270) ; v1@18219.7,4275.3 ccw(c18206.89,4288.11) 18225,4288.11 ccw(c18243.11,4288.11) v1@18230.3,4275.3
  Bottom Layer w10: v1(17795,3760) 17935,3760 17955,3740 18335,3740 18355,3760 18355,4240 18325,4270 v1(18225,4270) ; v1@17800.3,3754.7 cw(c17813.11,3741.89) 17813.11,3760 cw(c17813.11,3778.11) v1@17800.3,3765.3 ; SD_OLED1.2@17856.18,4459.72 17928.22,4459.72 v1(17928.5,4460) 18145,4460 18175,4430 v1(18175,4410) ; SD_OLED1.2@17880.11,4453.52 cw(c17895.09,4438.53) 17895.09,4459.72 cw(c17895.09,4480.92) SD_OLED1.2@17880.11,4465.93 ; 17909.73,4459.72 ccw(c17909.73,4478.77) v1@17923.2,4465.3 ; 17911.06,4459.72 cw(c17911.06,4442.56) v1@17923.2,4454.7 ; v1@17933.8,4454.7 cw(c17946.61,4441.89) 17946.61,4460 cw(c17946.61,4478.11) v1@17933.8,4465.3 ; v1@18169.7,4415.3 ccw(c18156.89,4428.11) 18175,4428.11 ccw(c18193.11,4428.11) v1@18180.3,4415.3 ; v1@18230.3,4264.7 cw(c18243.11,4251.89) 18243.11,4270 cw(c18243.11,4288.11) v1@18230.3,4275.3
CS4: NRF1.3 U1.14 | length 552.7
  Top Layer w10: v1(17570,4175) 17675,4175 17757.06,4257.06 U1.14@17757.06,4364.08 ; v1@17575.3,4169.7 cw(c17588.11,4156.89) 17588.11,4175 cw(c17588.11,4193.11) v1@17575.3,4180.3
  Bottom Layer w10: NRF1.3@17560,4114 17560,4165 v1(17570,4175) ccw(c17581.77,4163.23) NRF1.3@17569.43,4152.06 ; NRF1.3@17560,4132.75 cw(c17612.25,4132.75) v1@17575.3,4169.7 ; NRF1.3@17560,4134 17565,4139 NRF1.3@17565,4150 ; NRF1.3@17560,4156.89 cw(c17588.11,4156.89) v1@17568.23,4176.77 ; NRF1.3@17562.01,4145.35 cw(c17573.97,4156.17) v1@17562.57,4167.57
D0: OLED1.4 R54.1 U1.38 | length 3331.4
  Top Layer w10: v1(17555,3865) 17579.89,3889.89 U1.38@17579.89,4001.87 ; v1@17555,3872.5 ccw(c17555,3890.61) 17567.8,3877.8 ccw(c17580.61,3865) v1@17562.5,3865 ; OLED1.4@17647.66,4977.34 ccw(c17617.86,5007.14) 17660,5007.14 ccw(c17712.14,5007.14) OLED1.4@17675.27,4970.27 ; R54.1@17654.7,5043.2 cw(c17641.89,5030.39) 17660,5030.39 cw(c17678.11,5030.39) R54.1@17665.3,5043.2 ; OLED1.4@17660,4965 R54.1@17660,5048.5 ; 17660,5031.29 ccw(c17736.29,5031.29) OLED1.4@17682.34,4977.34 ; v1(18150,3830) 18210,3830 18430,4050 18430,4565 18425,4570 v1(18425,4575) ; v1@18155.3,3824.7 cw(c18168.11,3811.89) 18168.11,3830 cw(c18168.11,3848.11) v1@18155.3,3835.3 ; v1@18419.7,4569.7 cw(c18394.82,4544.82) 18430,4544.82
  Bottom Layer w10: v1@17549.7,3859.7 cw(c17536.89,3846.89) 17555,3846.89 cw(c17573.11,3846.89) v1@17560.3,3859.7 ; v1(17555,3865) 17555,3840 17590,3805 17970,3805 17995,3830 v1(18150,3830) ; OLED1.4@17665,4960 17665,4915 17680,4900 17950,4900 17985,4865 18090,4865 18180,4955 18395,4955 18425,4925 v1(18425,4575) ; v1@18144.7,3824.7 ccw(c18131.89,3811.89) 18131.89,3830 ccw(c18131.89,3848.11) v1@18144.7,3835.3 ; v1@18419.7,4580.3 ccw(c18406.89,4593.11) 18425,4593.11 ccw(c18443.11,4593.11) v1@18430.3,4580.3
D1: OLED1.3 R55.1 U1.39 | length 3416
  Top Layer w10: v1@17584.7,3855.3 ccw(c17548.78,3891.22) 17599.58,3891.22 ; v1(17590,3850) 17599.58,3859.58 U1.39@17599.58,4001.87 ; v1@17591.77,3848.23 ccw(c17572.92,3867.08) 17599.58,3867.08 ; OLED1.3@17747.66,4942.66 cw(c17705.79,4900.79) 17765,4900.79 cw(c17824.21,4900.79) OLED1.3@17782.34,4942.66 ; OLED1.3@17747.66,4977.34 ccw(c17717.86,5007.14) 17760,5007.14 ccw(c17812.14,5007.14) OLED1.3@17775.27,4970.27 ; R55.1@17754.7,5043.2 cw(c17741.89,5030.39) 17760,5030.39 cw(c17778.11,5030.39) R55.1@17765.3,5043.2 ; OLED1.3@17754.73,4949.73 cw(c17729.93,4924.93) 17765,4924.93 cw(c17800.07,4924.93) OLED1.3@17775.27,4949.73 ; OLED1.3@17760,4965 R55.1@17760,5048.5 ; 17760,5031.29 ccw(c17836.29,5031.29) OLED1.3@17782.34,4977.34 ; OLED1.3@17765,4960 17765,4890 17815,4840 v1(17975,4840) ; v1@17969.7,4834.7 ccw(c17956.89,4821.89) 17956.89,4840 ccw(c17956.89,4858.11) v1@17969.7,4845.3 ; v1(18170,3865) 18200,3865 18405,4070 18405,4445 v1(18400,4450) ; v1@18175.3,3859.7 cw(c18188.11,3846.89) 18188.11,3865 cw(c18188.11,3883.11) v1@18175.3,3870.3 ; v1@18394.7,4444.7 cw(c18369.82,4419.82) 18405,4419.82
  Bottom Layer w10: v1(17590,3850) 17605,3835 17955,3835 17985,3865 v1(18170,3865) ; v1@17973.23,4838.23 ccw(c17993.11,4858.11) 17993.11,4830 ; v1(17975,4840) 17985,4830 18095,4830 ; v1@17980.3,4845.3 ccw(c18017.25,4882.25) 18017.25,4830 ; 18030,4830 18095,4830 ; v1@18164.7,3859.7 ccw(c18151.89,3846.89) 18151.89,3865 ccw(c18151.89,3883.11) v1@18164.7,3870.3 ; v1@18394.7,4455.3 ccw(c18381.89,4468.11) 18400,4468.11 ccw(c18418.11,4468.11) v1@18405.3,4455.3 ; v1(18400,4450) 18400,4904 18375,4929 18194,4929 18095,4830
DC: OLED1.1 R57.1 U1.41 | length 2939.4
  Top Layer w10: v1@17624.7,3865.3 ccw(c17590.3,3899.7) 17638.95,3899.7 ; v1(17630,3860) 17638.95,3868.95 U1.41@17638.95,4001.87 ; v1@17631.77,3858.23 ccw(c17614.44,3875.56) 17638.95,3875.56 ; OLED1.1@17947.66,4977.34 ccw(c17917.86,5007.14) 17960,5007.14 ccw(c18012.14,5007.14) OLED1.1@17975.27,4970.27 ; R57.1@17954.7,5043.2 cw(c17941.89,5030.39) 17960,5030.39 cw(c17978.11,5030.39) R57.1@17965.3,5043.2 ; OLED1.1@17960,4965 R57.1@17960,5048.5 R57.1@17965,5043.5 ; 17960,5031.29 ccw(c18036.29,5031.29) OLED1.1@17982.34,4977.34 ; v1(18045,3940) 18150,3940 18310,4100 v1@18310,4330 ; v1@18050.3,3934.7 cw(c18063.11,3921.89) 18063.11,3940 cw(c18063.11,3958.11) v1@18050.3,3945.3 ; v1@18299.7,4324.7 cw(c18274.82,4299.82) 18310,4299.82
  Bottom Layer w10: v1(17630,3860) 17865,3860 17940,3935 v1@18040,3935 ; v1@17635.3,3854.7 cw(c17648.11,3841.89) 17648.11,3860 cw(c17648.11,3878.11) v1@17635.3,3865.3 ; OLED1.1@17956.63,4936.94 cw(c17952.29,4925) 17965,4925 ; OLED1.1@17965,4960 17965,4925 ; OLED1.1@17973.37,4936.94 ccw(c17977.71,4925) 17965,4925 ; 18014.82,3935 ccw(c18014.82,3970.18) v1@18039.7,3945.3 ; v1(18305,4330) 18380,4330 18455,4405 18455,4940 18410,4985 18165,4985 18075,4895 17995,4895 17965,4925 ; v1@18310.3,4324.7 cw(c18323.11,4311.89) 18323.11,4330 cw(c18323.11,4348.11) v1@18310.3,4335.3
DM: R8.2 U1.32 | length 415.2
  Top Layer w10: 17340.37,3911.13 cw(c17320.74,3891.5) R8.2@17348.5,3891.5 ; R8.2@17360,3891.5 17335,3916.5 17335,4100 17388.45,4153.45 U1.32@17487.37,4153.45
DP: R9.2 U1.33 | length 438.5
  Top Layer w10: 17414.55,3930.45 17415.4,3929.6 ; 17427.89,3917.11 cw(c17402.29,3891.5) R9.2@17438.5,3891.5 ; R9.2@17436.04,3897.87 ccw(c17431.6,3905) 17440,3905 ; R9.2@17440,3891.5 17440,3905 ; R9.2@17443.96,3897.87 cw(c17448.4,3905) 17440,3905 ; U1.33@17487.37,4133.76 17408.76,4133.76 17360,4085 17360,3955 17385.4,3929.6 17415.4,3929.6 ; 17415.4,3929.6 17440,3905
G.INT: MPU1.12